# KiCad board 2x2RemotePanel.kicad_pcb (continued)
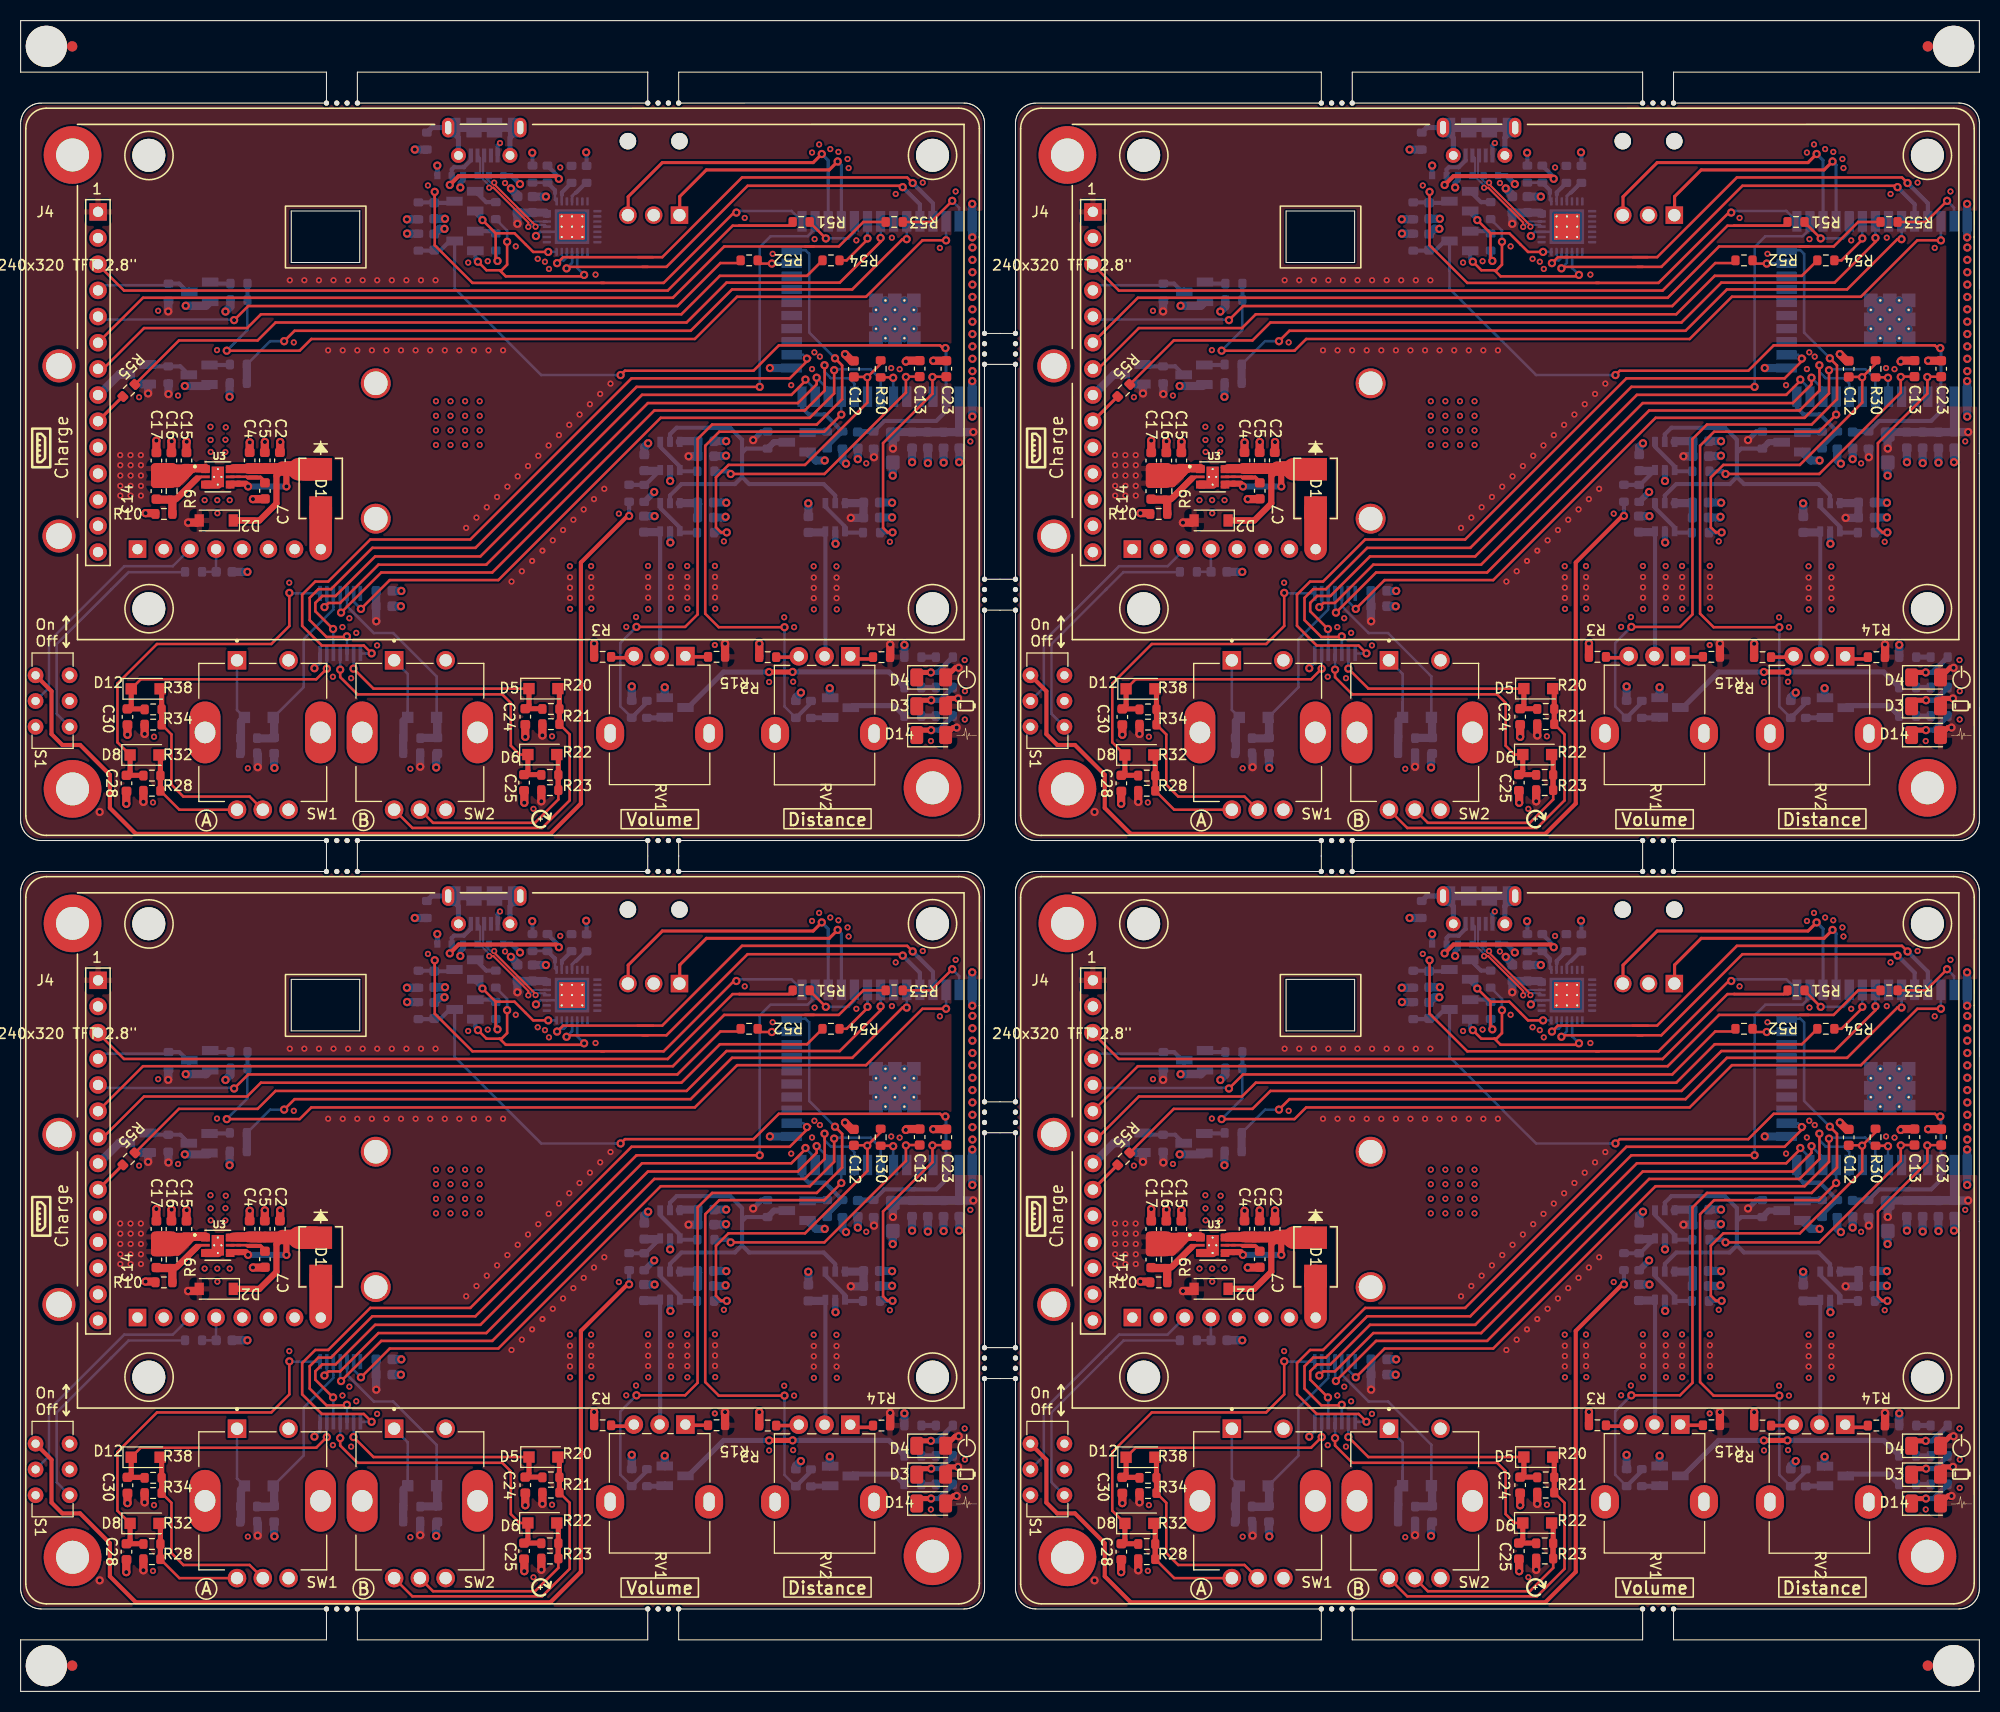
[diagram p0: board, top side]
## Placement (name value [footprint] x y rotation side) (continued)
KiKit_MB_19_4  -  [NPTH]  96.5 57.22 0 top
KiKit_MB_20_1  -  [NPTH]  96.5 30.36 0 top
KiKit_MB_20_2  -  [NPTH]  96.5 31.36 0 top
KiKit_MB_20_3  -  [NPTH]  96.5 32.36 0 top
KiKit_MB_20_4  -  [NPTH]  96.5 33.36 0 top
KiKit_MB_21_1  -  [NPTH]  126.17 79.57 0 top
KiKit_MB_21_2  -  [NPTH]  127.17 79.57 0 top
KiKit_MB_21_3  -  [NPTH]  128.17 79.57 0 top
KiKit_MB_21_4  -  [NPTH]  129.17 79.57 0 top
KiKit_MB_22_1  -  [NPTH]  157.34 79.57 0 top
KiKit_MB_22_2  -  [NPTH]  158.34 79.57 0 top
KiKit_MB_22_3  -  [NPTH]  159.34 79.57 0 top
KiKit_MB_22_4  -  [NPTH]  160.34 79.57 0 top
KiKit_MB_23_1  -  [NPTH]  129.17 8 0 top
KiKit_MB_23_2  -  [NPTH]  128.17 8 0 top
KiKit_MB_23_3  -  [NPTH]  127.17 8 0 top
KiKit_MB_23_4  -  [NPTH]  126.17 8 0 top
KiKit_MB_24_1  -  [NPTH]  160.34 8 0 top
KiKit_MB_24_2  -  [NPTH]  159.34 8 0 top
KiKit_MB_24_3  -  [NPTH]  158.34 8 0 top
KiKit_MB_24_4  -  [NPTH]  157.34 8 0 top
KiKit_TO_1  -  [NPTH#2]  2.5 159.65 0 top
KiKit_TO_2  -  [NPTH#2]  187.51 159.65 0 top
KiKit_TO_3  -  [NPTH#2]  2.5 2.5 0 top
KiKit_TO_4  -  [NPTH#2]  187.51 2.5 0 top
Q1  DMN65D8L  [DMP3099L-7_DIO]  159.99 20.92 90 bottom
Q1#2  DMN65D8L  [DMP3099L-7_DIO]  63.49 95.49 90 bottom
Q1#3  DMN65D8L  [DMP3099L-7_DIO]  63.49 20.92 90 bottom
Q1#4  DMN65D8L  [DMP3099L-7_DIO]  159.99 95.49 90 bottom
Q2  DMN65D8L  [DMP3099L-7_DIO]  171.83 46.66 270 bottom
Q2#2  DMN65D8L  [DMP3099L-7_DIO]  75.33 46.66 270 bottom
Q2#3  DMN65D8L  [DMP3099L-7_DIO]  75.33 121.24 270 bottom
Q2#4  DMN65D8L  [DMP3099L-7_DIO]  171.83 121.24 270 bottom
Q3  DMN65D8L  [DMP3099L-7_DIO]  176.03 95.48 90 bottom
Q3#2  DMN65D8L  [DMP3099L-7_DIO]  176.03 20.9 90 bottom
Q3#3  DMN65D8L  [DMP3099L-7_DIO]  79.53 95.48 90 bottom
Q3#4  DMN65D8L  [DMP3099L-7_DIO]  79.53 20.9 90 bottom
Q4  DMN65D8L  [DMP3099L-7_DIO]  17.38 135.83 270 bottom
Q4#2  DMN65D8L  [DMP3099L-7_DIO]  113.88 135.83 270 bottom
Q4#3  DMN65D8L  [DMP3099L-7_DIO]  113.88 61.25 270 bottom
Q4#4  DMN65D8L  [DMP3099L-7_DIO]  17.38 61.25 270 bottom
Q5  DMN65D8L  [DMP3099L-7_DIO]  43.1 70.06 270 bottom
Q5#2  DMN65D8L  [DMP3099L-7_DIO]  139.6 70.06 270 bottom
Q5#3  DMN65D8L  [DMP3099L-7_DIO]  139.6 144.63 270 bottom
Q5#4  DMN65D8L  [DMP3099L-7_DIO]  43.1 144.63 270 bottom
Q6  DMN65D8L  [DMP3099L-7_DIO]  139.61 66.19 270 bottom
Q6#2  DMN65D8L  [DMP3099L-7_DIO]  43.11 66.19 270 bottom
Q6#3  DMN65D8L  [DMP3099L-7_DIO]  43.11 140.76 270 bottom
Q6#4  DMN65D8L  [DMP3099L-7_DIO]  139.61 140.76 270 bottom
Q7  DMN65D8L  [DMP3099L-7_DIO]  113.82 127.78 270 bottom
Q7#2  DMN65D8L  [DMP3099L-7_DIO]  113.82 53.2 270 bottom
Q7#3  DMN65D8L  [DMP3099L-7_DIO]  17.32 53.2 270 bottom
Q7#4  DMN65D8L  [DMP3099L-7_DIO]  17.32 127.78 270 bottom
Q8  DMP3099L  [DMP3099L-7_DIO]  11.32 53.25 270 bottom
Q8#2  DMP3099L  [DMP3099L-7_DIO]  11.32 127.83 270 bottom
Q8#3  DMP3099L  [DMP3099L-7_DIO]  107.82 127.83 270 bottom
Q8#4  DMP3099L  [DMP3099L-7_DIO]  107.82 53.25 270 bottom
R1  0Ω  [R_0603_1608Metric]  113.28 108.65 180 bottom
R1#2  0Ω  [R_0603_1608Metric]  113.28 34.08 180 bottom
R1#3  0Ω  [R_0603_1608Metric]  16.78 34.08 180 bottom
R1#4  0Ω  [R_0603_1608Metric]  16.78 108.65 180 bottom
R2  22kΩ  [R_0603_1608Metric]  164.01 100.4 180 top
R2#2  22kΩ  [R_0603_1608Metric]  67.51 100.4 180 top
R2#3  22kΩ  [R_0603_1608Metric]  164.01 25.83 180 top
R2#4  22kΩ  [R_0603_1608Metric]  67.51 25.83 180 top
R3  1kΩ  [R_0603_1608Metric]  152.96 25.83 180 top
R3#2  1kΩ  [R_0603_1608Metric]  152.96 100.4 180 top
R3#3  1kΩ  [R_0603_1608Metric]  56.46 25.83 180 top
R3#4  1kΩ  [R_0603_1608Metric]  56.46 100.4 180 top
R4  30kΩ  [R_0603_1608Metric]  59.03 41.71 90 bottom
R4#2  30kΩ  [R_0603_1608Metric]  59.03 116.28 90 bottom
R4#3  30kΩ  [R_0603_1608Metric]  155.53 41.71 90 bottom
R4#4  30kΩ  [R_0603_1608Metric]  155.53 116.28 90 bottom
R5  10kΩ  [R_0603_1608Metric]  60.5 116.27 270 bottom
R5#2  10kΩ  [R_0603_1608Metric]  157 116.27 270 bottom
R5#3  10kΩ  [R_0603_1608Metric]  60.5 41.7 270 bottom
R5#4  10kΩ  [R_0603_1608Metric]  157 41.7 270 bottom
R6  50Ω  [R_0603_1608Metric]  66.44 37.89 0 bottom
R6#2  50Ω  [R_0603_1608Metric]  66.44 112.46 0 bottom
R6#3  50Ω  [R_0603_1608Metric]  162.94 37.89 0 bottom
R6#4  50Ω  [R_0603_1608Metric]  162.94 112.46 0 bottom
R7  50Ω  [R_0603_1608Metric]  162.98 43.84 0 bottom
R7#2  50Ω  [R_0603_1608Metric]  162.98 118.41 0 bottom
R7#3  50Ω  [R_0603_1608Metric]  66.48 43.84 0 bottom
R7#4  50Ω  [R_0603_1608Metric]  66.48 118.41 0 bottom
R8  680Ω  [R_0603_1608Metric]  89.61 97.43 180 bottom
R8#2  680Ω  [R_0603_1608Metric]  186.11 97.43 180 bottom
R8#3  680Ω  [R_0603_1608Metric]  89.61 22.86 180 bottom
R8#4  680Ω  [R_0603_1608Metric]  186.11 22.86 180 bottom
R9  3.57kΩ  [R_0603_1608Metric]  14.65 116.49 90 top
R9#2  3.57kΩ  [R_0603_1608Metric]  111.15 41.91 90 top
R9#3  3.57kΩ  [R_0603_1608Metric]  14.65 41.91 90 top
R9#4  3.57kΩ  [R_0603_1608Metric]  111.15 116.49 90 top
R10  1.15kΩ  [R_0603_1608Metric]  110.4 114.27 0 top
R10#2  1.15kΩ  [R_0603_1608Metric]  13.9 39.7 0 top
R10#3  1.15kΩ  [R_0603_1608Metric]  110.4 39.7 0 top
R10#4  1.15kΩ  [R_0603_1608Metric]  13.9 114.27 0 top
R11  100Ω  [R_0603_1608Metric]  60.75 20.74 270 bottom
R11#2  100Ω  [R_0603_1608Metric]  60.75 95.31 270 bottom
R11#3  100Ω  [R_0603_1608Metric]  157.26 95.31 270 bottom
R11#4  100Ω  [R_0603_1608Metric]  157.26 20.74 270 bottom
R12  4.7kΩ  [R_0603_1608Metric]  155.78 95.32 90 bottom
R12#2  4.7kΩ  [R_0603_1608Metric]  59.28 20.75 90 bottom
R12#3  4.7kΩ  [R_0603_1608Metric]  59.28 95.32 90 bottom
R12#4  4.7kΩ  [R_0603_1608Metric]  155.78 20.75 90 bottom
R13  180Ω  [R_0603_1608Metric]  183.06 100.38 180 bottom
R13#2  180Ω  [R_0603_1608Metric]  86.56 25.81 180 bottom
R13#3  180Ω  [R_0603_1608Metric]  183.06 25.81 180 bottom
R13#4  180Ω  [R_0603_1608Metric]  86.56 100.38 180 bottom
R14  22kΩ  [R_0603_1608Metric]  180.01 25.8 180 top
R14#2  22kΩ  [R_0603_1608Metric]  180.01 100.38 180 top
R14#3  22kΩ  [R_0603_1608Metric]  83.51 100.38 180 top
R14#4  22kΩ  [R_0603_1608Metric]  83.51 25.8 180 top
R15  1kΩ  [R_0603_1608Metric]  72.47 100.38 180 top
R15#2  1kΩ  [R_0603_1608Metric]  168.97 25.8 180 top
R15#3  1kΩ  [R_0603_1608Metric]  72.47 25.8 180 top
R15#4  1kΩ  [R_0603_1608Metric]  168.97 100.38 180 top
R16  50Ω  [R_0603_1608Metric]  179.04 37.89 0 bottom
R16#2  50Ω  [R_0603_1608Metric]  179.04 112.46 0 bottom
R16#3  50Ω  [R_0603_1608Metric]  82.54 112.46 0 bottom
R16#4  50Ω  [R_0603_1608Metric]  82.54 37.89 0 bottom
R17  10kΩ  [R_0603_1608Metric]  72.45 46.86 270 bottom
R17#2  10kΩ  [R_0603_1608Metric]  168.95 121.44 270 bottom
R17#3  10kΩ  [R_0603_1608Metric]  72.45 121.44 270 bottom
R17#4  10kΩ  [R_0603_1608Metric]  168.95 46.86 270 bottom
R18  100Ω  [R_0603_1608Metric]  78.24 121.44 90 bottom
R18#2  100Ω  [R_0603_1608Metric]  174.74 121.44 90 bottom
R18#3  100Ω  [R_0603_1608Metric]  174.74 46.86 90 bottom
R18#4  100Ω  [R_0603_1608Metric]  78.24 46.86 90 bottom
R19  4.7kΩ  [R_0603_1608Metric]  79.72 121.44 270 bottom
R19#2  4.7kΩ  [R_0603_1608Metric]  176.22 121.44 270 bottom
R19#3  4.7kΩ  [R_0603_1608Metric]  79.72 46.86 270 bottom
R19#4  4.7kΩ  [R_0603_1608Metric]  176.22 46.86 270 bottom
R20  6.8kΩ  [R_0603_1608Metric]  51.44 95.35 0 top
R20#2  6.8kΩ  [R_0603_1608Metric]  147.94 20.77 0 top
R20#3  6.8kΩ  [R_0603_1608Metric]  51.44 20.77 0 top
R20#4  6.8kΩ  [R_0603_1608Metric]  147.94 95.35 0 top
R21  6.8kΩ  [R_0603_1608Metric]  147.94 93.87 0 top
R21#2  6.8kΩ  [R_0603_1608Metric]  147.94 19.3 0 top
R21#3  6.8kΩ  [R_0603_1608Metric]  51.44 93.87 0 top
R21#4  6.8kΩ  [R_0603_1608Metric]  51.44 19.3 0 top
R22  6.8kΩ  [R_0603_1608Metric]  147.84 88.95 0 top
R22#2  6.8kΩ  [R_0603_1608Metric]  51.34 14.37 0 top
R22#3  6.8kΩ  [R_0603_1608Metric]  51.34 88.95 0 top
R22#4  6.8kΩ  [R_0603_1608Metric]  147.84 14.37 0 top
R23  6.8kΩ  [R_0603_1608Metric]  51.34 87.47 0 top
R23#2  6.8kΩ  [R_0603_1608Metric]  147.84 12.9 0 top
R23#3  6.8kΩ  [R_0603_1608Metric]  51.34 12.9 0 top
R23#4  6.8kΩ  [R_0603_1608Metric]  147.84 87.47 0 top
R24  4.7kΩ  [R_0603_1608Metric]  37.94 91.06 180 bottom
R24#2  4.7kΩ  [R_0603_1608Metric]  37.94 16.49 180 bottom
R24#3  4.7kΩ  [R_0603_1608Metric]  134.44 91.06 180 bottom
R24#4  4.7kΩ  [R_0603_1608Metric]  134.44 16.49 180 bottom
R25  4.7kΩ  [R_0603_1608Metric]  134.46 92.51 0 bottom
R25#2  4.7kΩ  [R_0603_1608Metric]  37.95 92.51 0 bottom
R25#3  4.7kΩ  [R_0603_1608Metric]  37.95 17.94 0 bottom
R25#4  4.7kΩ  [R_0603_1608Metric]  134.46 17.94 0 bottom
R26  10kΩ  [R_0603_1608Metric]  82.75 121.44 90 bottom
R26#2  10kΩ  [R_0603_1608Metric]  179.25 46.87 90 bottom
R26#3  10kΩ  [R_0603_1608Metric]  82.75 46.87 90 bottom
R26#4  10kΩ  [R_0603_1608Metric]  179.25 121.44 90 bottom
R27  0Ω  [R_0603_1608Metric]  39.41 75.89 90 bottom
R27#2  0Ω  [R_0603_1608Metric]  135.91 75.89 90 bottom
R27#3  0Ω  [R_0603_1608Metric]  135.91 150.46 90 bottom
R27#4  0Ω  [R_0603_1608Metric]  39.41 150.46 90 bottom
R28  6.8kΩ  [R_0603_1608Metric]  12.74 88.88 0 top
R28#2  6.8kΩ  [R_0603_1608Metric]  109.24 88.88 0 top
R28#3  6.8kΩ  [R_0603_1608Metric]  12.74 14.31 0 top
R28#4  6.8kΩ  [R_0603_1608Metric]  109.24 14.31 0 top
R29  10kΩ  [R_0603_1608Metric]  75.21 20.73 90 bottom
R29#2  10kΩ  [R_0603_1608Metric]  75.21 95.3 90 bottom
R29#3  10kΩ  [R_0603_1608Metric]  171.71 95.3 90 bottom
R29#4  10kΩ  [R_0603_1608Metric]  171.71 20.73 90 bottom
R30  0Ω  [R_0603_1608Metric]  179.93 53.78 270 top
R30#2  0Ω  [R_0603_1608Metric]  83.43 128.36 270 top
R30#3  0Ω  [R_0603_1608Metric]  179.93 128.36 270 top
R30#4  0Ω  [R_0603_1608Metric]  83.43 53.78 270 top
R31  100Ω  [R_0603_1608Metric]  173.17 20.73 270 bottom
R31#2  100Ω  [R_0603_1608Metric]  173.17 95.3 270 bottom
R31#3  100Ω  [R_0603_1608Metric]  76.67 20.73 270 bottom
R31#4  100Ω  [R_0603_1608Metric]  76.67 95.3 270 bottom
R32  6.8kΩ  [R_0603_1608Metric]  12.74 87.41 0 top
R32#2  6.8kΩ  [R_0603_1608Metric]  109.24 87.41 0 top
R32#3  6.8kΩ  [R_0603_1608Metric]  12.74 12.83 0 top
R32#4  6.8kΩ  [R_0603_1608Metric]  109.24 12.83 0 top
R33  4.7kΩ  [R_0603_1608Metric]  22.12 91.05 180 bottom
R33#2  4.7kΩ  [R_0603_1608Metric]  118.62 91.05 180 bottom
R33#3  4.7kΩ  [R_0603_1608Metric]  22.12 16.47 180 bottom
R33#4  4.7kΩ  [R_0603_1608Metric]  118.62 16.47 180 bottom
R34  6.8kΩ  [R_0603_1608Metric]  109.36 20.73 0 top
R34#2  6.8kΩ  [R_0603_1608Metric]  109.36 95.3 0 top
R34#3  6.8kΩ  [R_0603_1608Metric]  12.86 95.3 0 top
R34#4  6.8kΩ  [R_0603_1608Metric]  12.86 20.73 0 top
R35  22.1kΩ  [R_0603_1608Metric]  147.61 147.25 90 bottom
R35#2  22.1kΩ  [R_0603_1608Metric]  51.11 72.68 90 bottom
R35#3  22.1kΩ  [R_0603_1608Metric]  51.11 147.25 90 bottom
R35#4  22.1kΩ  [R_0603_1608Metric]  147.61 72.68 90 bottom
R36  4.7kΩ  [R_0603_1608Metric]  118.62 17.95 0 bottom
R36#2  4.7kΩ  [R_0603_1608Metric]  22.12 17.95 0 bottom
R36#3  4.7kΩ  [R_0603_1608Metric]  22.12 92.52 0 bottom
R36#4  4.7kΩ  [R_0603_1608Metric]  118.62 92.52 0 bottom
R37  47.5kΩ  [R_0603_1608Metric]  49.66 147.25 90 bottom
R37#2  47.5kΩ  [R_0603_1608Metric]  146.16 147.25 90 bottom
R37#3  47.5kΩ  [R_0603_1608Metric]  146.16 72.68 90 bottom
R37#4  47.5kΩ  [R_0603_1608Metric]  49.66 72.68 90 bottom
R38  6.8kΩ  [R_0603_1608Metric]  109.36 93.83 0 top
R38#2  6.8kΩ  [R_0603_1608Metric]  12.86 93.83 0 top
R38#3  6.8kΩ  [R_0603_1608Metric]  12.86 19.25 0 top
R38#4  6.8kΩ  [R_0603_1608Metric]  109.36 19.25 0 top
R39  1kΩ  [R_0603_1608Metric]  149.94 72.66 270 bottom
R39#2  1kΩ  [R_0603_1608Metric]  149.94 147.24 270 bottom
R39#3  1kΩ  [R_0603_1608Metric]  53.44 72.66 270 bottom
R39#4  1kΩ  [R_0603_1608Metric]  53.44 147.24 270 bottom
R40  100Ω  [R_0603_1608Metric]  186.11 20.09 180 bottom
R40#2  100Ω  [R_0603_1608Metric]  186.11 94.66 180 bottom
R40#3  100Ω  [R_0603_1608Metric]  89.61 20.09 180 bottom
R40#4  100Ω  [R_0603_1608Metric]  89.61 94.66 180 bottom
R41  1kΩ  [R_0603_1608Metric]  151.4 72.66 90 bottom
R41#2  1kΩ  [R_0603_1608Metric]  151.4 147.23 90 bottom
R41#3  1kΩ  [R_0603_1608Metric]  54.9 147.23 90 bottom
R41#4  1kΩ  [R_0603_1608Metric]  54.9 72.66 90 bottom
R42  4.7kΩ  [R_0603_1608Metric]  21.18 60.45 180 bottom
R42#2  4.7kΩ  [R_0603_1608Metric]  117.68 60.45 180 bottom
R42#3  4.7kΩ  [R_0603_1608Metric]  21.18 135.03 180 bottom
R42#4  4.7kΩ  [R_0603_1608Metric]  117.68 135.03 180 bottom
R43  100Ω  [R_0603_1608Metric]  117.68 62.05 180 bottom
R43#2  100Ω  [R_0603_1608Metric]  21.18 136.63 180 bottom
R43#3  100Ω  [R_0603_1608Metric]  117.68 136.63 180 bottom
R43#4  100Ω  [R_0603_1608Metric]  21.18 62.05 180 bottom
R44  4.7kΩ  [R_0603_1608Metric]  142.59 143.7 90 bottom
R44#2  4.7kΩ  [R_0603_1608Metric]  142.59 69.13 90 bottom
R44#3  4.7kΩ  [R_0603_1608Metric]  46.09 69.13 90 bottom
R44#4  4.7kΩ  [R_0603_1608Metric]  46.09 143.7 90 bottom
R45  4.7kΩ  [R_0603_1608Metric]  142.6 66.09 90 bottom
R45#2  4.7kΩ  [R_0603_1608Metric]  46.1 66.09 90 bottom
R45#3  4.7kΩ  [R_0603_1608Metric]  46.1 140.66 90 bottom
R45#4  4.7kΩ  [R_0603_1608Metric]  142.6 140.66 90 bottom
R46  4.7kΩ  [R_0603_1608Metric]  110.85 61.23 90 bottom
R46#2  4.7kΩ  [R_0603_1608Metric]  14.35 61.23 90 bottom
R46#3  4.7kΩ  [R_0603_1608Metric]  14.35 135.8 90 bottom
R46#4  4.7kΩ  [R_0603_1608Metric]  110.85 135.8 90 bottom
R47  0Ω  [R_0603_1608Metric]  135.09 69.12 270 bottom
R47#2  0Ω  [R_0603_1608Metric]  135.09 143.69 270 bottom
R47#3  0Ω  [R_0603_1608Metric]  38.59 69.12 270 bottom
R47#4  0Ω  [R_0603_1608Metric]  38.59 143.69 270 bottom
R48  0Ω  [R_0603_1608Metric]  135.09 140.65 270 bottom
R48#2  0Ω  [R_0603_1608Metric]  135.09 66.07 270 bottom
R48#3  0Ω  [R_0603_1608Metric]  38.59 140.65 270 bottom
R48#4  0Ω  [R_0603_1608Metric]  38.59 66.07 270 bottom
R49  4.7kΩ  [R_0603_1608Metric]  21.12 126.98 180 bottom
R49#2  4.7kΩ  [R_0603_1608Metric]  117.62 52.4 180 bottom
R49#3  4.7kΩ  [R_0603_1608Metric]  117.62 126.98 180 bottom
R49#4  4.7kΩ  [R_0603_1608Metric]  21.12 52.4 180 bottom
R50  100Ω  [R_0603_1608Metric]  117.62 54.2 180 bottom
R50#2  100Ω  [R_0603_1608Metric]  21.12 128.78 180 bottom
R50#3  100Ω  [R_0603_1608Metric]  21.12 54.2 180 bottom
R50#4  100Ω  [R_0603_1608Metric]  117.62 128.78 180 bottom
R51  0Ω  [R_0603_1608Metric]  75.72 142.61 180 top
R51#2  0Ω  [R_0603_1608Metric]  172.22 68.04 180 top
R51#3  0Ω  [R_0603_1608Metric]  75.72 68.04 180 top
R51#4  0Ω  [R_0603_1608Metric]  172.22 142.61 180 top
R52  0Ω  [R_0603_1608Metric]  70.67 64.31 180 top
R52#2  0Ω  [R_0603_1608Metric]  167.17 64.31 180 top
R52#3  0Ω  [R_0603_1608Metric]  167.17 138.88 180 top
R52#4  0Ω  [R_0603_1608Metric]  70.67 138.88 180 top
R53  0Ω  [R_0603_1608Metric]  84.74 68.04 180 top
R53#2  0Ω  [R_0603_1608Metric]  84.74 142.61 180 top
R53#3  0Ω  [R_0603_1608Metric]  181.24 142.61 180 top
R53#4  0Ω  [R_0603_1608Metric]  181.24 68.04 180 top
R54  0Ω  [R_0603_1608Metric]  78.61 138.88 180 top
R54#2  0Ω  [R_0603_1608Metric]  78.61 64.31 180 top
R54#3  0Ω  [R_0603_1608Metric]  175.11 64.31 180 top
R54#4  0Ω  [R_0603_1608Metric]  175.11 138.88 180 top
R55  0Ω  [R_0603_1608Metric]  10.5 126.25 225 top
R55#2  0Ω  [R_0603_1608Metric]  107.01 126.25 225 top
R55#3  0Ω  [R_0603_1608Metric]  10.5 51.68 225 top
R55#4  0Ω  [R_0603_1608Metric]  107.01 51.68 225 top
R56  4.7kΩ  [R_0603_1608Metric]  14.32 127.78 270 bottom
R56#2  4.7kΩ  [R_0603_1608Metric]  14.32 53.2 270 bottom
R56#3  4.7kΩ  [R_0603_1608Metric]  110.82 53.2 270 bottom
R56#4  4.7kΩ  [R_0603_1608Metric]  110.82 127.78 270 bottom
R57  0Ω  [R_0603_1608Metric]  86.55 97.43 180 bottom
R57#2  0Ω  [R_0603_1608Metric]  183.05 22.86 180 bottom
R57#3  0Ω  [R_0603_1608Metric]  183.05 97.43 180 bottom
R57#4  0Ω  [R_0603_1608Metric]  86.55 22.86 180 bottom
R58  0Ω  [R_0603_1608Metric]  186.11 100.38 180 bottom
R58#2  0Ω  [R_0603_1608Metric]  89.61 25.81 180 bottom
R58#3  0Ω  [R_0603_1608Metric]  186.11 25.81 180 bottom
R58#4  0Ω  [R_0603_1608Metric]  89.61 100.38 180 bottom
R59  0Ω  [R_0603_1608Metric]  86.55 94.66 180 bottom
R59#2  0Ω  [R_0603_1608Metric]  183.05 20.09 180 bottom
R59#3  0Ω  [R_0603_1608Metric]  183.05 94.66 180 bottom
R59#4  0Ω  [R_0603_1608Metric]  86.55 20.09 180 bottom
RV1  10kΩ  [Potentiometer_Alpha_RD901F-40-00D_Single_Vertical]  64.49 100.48 270 top
RV1#2  10kΩ  [Potentiometer_Alpha_RD901F-40-00D_Single_Vertical]  160.99 25.9 270 top
RV1#3  10kΩ  [Potentiometer_Alpha_RD901F-40-00D_Single_Vertical]  160.99 100.48 270 top
RV1#4  10kΩ  [Potentiometer_Alpha_RD901F-40-00D_Single_Vertical]  64.49 25.9 270 top
RV2  10kΩ  [Potentiometer_Alpha_RD901F-40-00D_Single_Vertical]  176.99 25.88 270 top
RV2#2  10kΩ  [Potentiometer_Alpha_RD901F-40-00D_Single_Vertical]  176.99 100.46 270 top
RV2#3  10kΩ  [Potentiometer_Alpha_RD901F-40-00D_Single_Vertical]  80.49 100.46 270 top
RV2#4  10kΩ  [Potentiometer_Alpha_RD901F-40-00D_Single_Vertical]  80.49 25.88 270 top
S1  -  [CL-SB-22C-12]  9.02 21.61 270 top
S1#2  -  [CL-SB-22C-12]  105.52 21.61 270 top
S1#3  -  [CL-SB-22C-12]  105.52 96.18 270 top
S1#4  -  [CL-SB-22C-12]  9.02 96.18 270 top
SW1  PEC12R  [XDCR_PEC12R-4215F-S0024]  119.99 93.07 0 top
SW1#2  PEC12R  [XDCR_PEC12R-4215F-S0024]  119.99 18.49 0 top
SW1#3  PEC12R  [XDCR_PEC12R-4215F-S0024]  23.49 93.07 0 top
SW1#4  PEC12R  [XDCR_PEC12R-4215F-S0024]  23.49 18.49 0 top
SW2  PEC12R  [XDCR_PEC12R-4215F-S0024]  38.73 18.5 0 top
SW2#2  PEC12R  [XDCR_PEC12R-4215F-S0024]  135.23 93.07 0 top
SW2#3  PEC12R  [XDCR_PEC12R-4215F-S0024]  38.73 93.07 0 top
SW2#4  PEC12R  [XDCR_PEC12R-4215F-S0024]  135.23 18.5 0 top
U1  OPA837IDBVT  [DBV6_TEX]  62.99 113.96 90 bottom
U1#2  OPA837IDBVT  [DBV6_TEX]  159.49 39.38 90 bottom
U1#3  OPA837IDBVT  [DBV6_TEX]  62.99 39.38 90 bottom
U1#4  OPA837IDBVT  [DBV6_TEX]  159.49 113.96 90 bottom
U2  OPA837IDBVT  [DBV6_TEX]  62.99 119.9 90 bottom
U2#2  OPA837IDBVT  [DBV6_TEX]  62.99 45.33 90 bottom
U2#3  OPA837IDBVT  [DBV6_TEX]  159.49 119.9 90 bottom
U2#4  OPA837IDBVT  [DBV6_TEX]  159.49 45.33 90 bottom
U3  TPS7A9201DSKR  [SON50P250X250X80-11N]  115.63 117.87 0 top
U3#2  TPS7A9201DSKR  [SON50P250X250X80-11N]  115.63 43.3 0 top
U3#3  TPS7A9201DSKR  [SON50P250X250X80-11N]  19.13 43.3 0 top
U3#4  TPS7A9201DSKR  [SON50P250X250X80-11N]  19.13 117.87 0 top
U4  OPA837IDBVT  [DBV6_TEX]  79.02 39.38 90 bottom
U4#2  OPA837IDBVT  [DBV6_TEX]  79.02 113.95 90 bottom
U4#3  OPA837IDBVT  [DBV6_TEX]  175.52 113.95 90 bottom
U4#4  OPA837IDBVT  [DBV6_TEX]  175.52 39.38 90 bottom
U5  74LVC14APW_118  [SOP65P640X110-14N]  127.5 103.65 90 bottom
U5#2  74LVC14APW_118  [SOP65P640X110-14N]  31 103.65 90 bottom
U5#3  74LVC14APW_118  [SOP65P640X110-14N]  127.5 29.08 90 bottom
U5#4  74LVC14APW_118  [SOP65P640X110-14N]  31 29.08 90 bottom
U6  CP2102N-Axx-xQFN28  [QFN-28-1EP_5x5mm_P0.5mm_EP3.35x3.35mm_ThermalVias]  149.99 142.15 0 bottom
U6#2  CP2102N-Axx-xQFN28  [QFN-28-1EP_5x5mm_P0.5mm_EP3.35x3.35mm_ThermalVias]  53.49 142.15 0 bottom
U6#3  CP2102N-Axx-xQFN28  [QFN-28-1EP_5x5mm_P0.5mm_EP3.35x3.35mm_ThermalVias]  53.49 67.58 0 bottom
U6#4  CP2102N-Axx-xQFN28  [QFN-28-1EP_5x5mm_P0.5mm_EP3.35x3.35mm_ThermalVias]  149.99 67.58 0 bottom
U7  ESP32-WROOM-32D  [MODULE_ESP32-WROOM-32D]  87.05 59.59 90 bottom
U7#2  ESP32-WROOM-32D  [MODULE_ESP32-WROOM-32D]  87.05 134.16 90 bottom
U7#3  ESP32-WROOM-32D  [MODULE_ESP32-WROOM-32D]  183.55 134.16 90 bottom
U7#4  ESP32-WROOM-32D  [MODULE_ESP32-WROOM-32D]  183.55 59.59 90 bottom

## Library data of the parts
J4 J4#2-J4#4 = -: Field5: ggebac468049775df37
R27 R27#2-R27#4 R47 R47#2-R47#4 R48 R48#2-R48#4 = -: DNP: DNP
RV1 RV1#2-RV1#4 RV2 RV2#2-RV2#4 = -: Field4: RD901F-40
U3 U3#2-U3#4 = -: MANUFACTURER: Texas Instruments; MAXIMUM_PACKAGE_HEIGHT: 0.8mm; PARTREV: December 2016; STANDARD: IPC-7351B
U5 U5#2-U5#4 = -: Description: Inverter Schmitt Trigger 6-Element CMOS 14-Pin TSSOP T/R; Availability: In Stock; Check_prices: https://www.snapeda.com/parts/74LVC14APW,118/Nexperia/view-part/?ref=eda; MF: Nexperia; MP: 74LVC14APW,118; MPN: 74LVC14APW,118; OC_FARNELL: 1826648; OC_NEWARK: 78R7408; PACKAGE: TSSOP-14; Package: TSSOP14-14 Nexperia USA Inc.; Price: None; Purchase-URL: https://www.snapeda.com/api/url_track_click_mouser/?unipart_id=5056984&manufacturer=Nexperia&part_name=74LVC14APW,118&search_term=74lvc14a; SUPPLIER: NXP; SnapEDA_Link: https://www.snapeda.com/parts/74LVC14APW,118/Nexperia/view-part/?ref=snap
U7 U7#2-U7#4 = -: Description: Bluetooth, WiFi 802.11b/g/n, Bluetooth v4.2 +EDR, Class 1, 2 and 3 Transceiver Module 2.4GHz ~ 2.5GHz Integrated; Availability: Not in stock; Check_prices: https://www.snapeda.com/parts/ESP32-WROOM-32D/Espressif+Systems/view-part/?ref=eda; MANUFACTURER: Espressif Systems; MAXIMUM_PACKAGE_HEIGHT: 3.2 mm; MF: Espressif Systems; PARTREV: 1.9; Package: Non Standard Espressif Systems; Price: None; STANDARD: Manufacturer Recommendations; SnapEDA_Link: https://www.snapeda.com/parts/ESP32-WROOM-32D/Espressif+Systems/view-part/?ref=snap

## Footprints (pads in the part's own frame, mm; a bottom-side part is the same pattern mirrored in y, then rotated)
AdaFruitPowerBoost500C
  rect 1.7x1.7 hole 1: 1(-6.4,8.57)
  oval 1.7x1.7 hole 1: 2(-3.86,8.57) 3(-1.32,8.57) 4(1.22,8.57) 5(3.76,8.57) 6(6.3,8.57) 7(8.84,8.57) 8(11.38,8.57)
  round 3.2 hole 2.5: P$1(-14.02,7.301) P$2(-14.02,-9.209)
  round 2.9 hole 2.3: S1(16.714,-7.524) S2(16.714,5.616)
C_0603_1608Metric
  rrect 0.9x0.95 smd: 1(-0.775,0) 2(0.775,0)
CL-SB-22C-12
  round 1.524 hole 0.8: 1(-2.435,-7.569) 2(0.065,-7.569) 3(2.565,-7.569) 4(-2.435,-4.269) 5(0.065,-4.269) 6(2.565,-4.269)
CON_1053131103
  round 1.6 hole 1.6 unplated: (-5,-7.18) (0,-7.18)
  rect 1.7x1.7 hole 1.2: 1(0,0)
  round 1.7 hole 1.2: 2(-2.5,0) 3(-5,0)
CP_EIA-3216-18_Kemet-A
  rrect 1.4x1.35 smd: 1(-1.35,0) 2(1.35,0)
D_SOD-123
  rect 0.9x1.2 smd: 1(-1.65,0) 2(1.65,0)
D_SOD-123F
  rect 1.1x1.1 smd: 1(-1.4,0) 2(1.4,0)
D_SOD-523
  rect 0.6x0.7 smd: 1(-0.7,0) 2(0.7,0)
DBV6_TEX
  rect 0.978x0.559 smd: 1(-1.365,0.95) 2(-1.365,0) 3(-1.365,-0.95) 4(1.365,-0.95) 5(1.365,0) 6(1.365,0.95)
DMP3099L-7_DIO
  rect 0.864x1.6 smd: 1(-0.95,-1.006) 2(0.95,-1.006) 3(0,1.006)
Fiducial
  round 1 smd: (0,0)
LED_1206_3216Metric
  rrect 1.25x1.75 smd: 1(-1.4,0) 2(1.4,0)
MODULE_ESP32-WROOM-32D
  rect 2x0.9 smd: 1(-8.5,5.26) 2(-8.5,3.99) 3(-8.5,2.72) 4(-8.5,1.45) 5(-8.5,0.18) 6(-8.5,-1.09) 7(-8.5,-2.36) 8(-8.5,-3.63) 9(-8.5,-4.9) 10(-8.5,-6.17) 11(-8.5,-7.44) 12(-8.5,-8.71) 13(-8.5,-9.98) 14(-8.5,-11.25) 25(8.5,-11.25) 26(8.5,-9.98) 27(8.5,-8.71) 28(8.5,-7.44) 29(8.5,-6.17) 30(8.5,-4.9) 31(8.5,-3.63) 32(8.5,-2.36) 33(8.5,-1.09) 34(8.5,0.18) 35(8.5,1.45) 36(8.5,2.72) 37(8.5,3.99) 38(8.5,5.26)
  rect 0.9x2 smd: 15(-5.715,-12.25) 16(-4.445,-12.25) 17(-3.175,-12.25) 18(-1.905,-12.25) 19(-0.635,-12.25) 20(0.635,-12.25) 21(1.905,-12.25) 22(3.175,-12.25) 23(4.445,-12.25) 24(5.715,-12.25)
  rect 1.33x1.33 smd: 39_1(-2.835,-0.405) 39_2(-1,-0.405) 39_3(0.835,-0.405) 39_4(-2.835,-2.24) 39_5(-1,-2.24) 39_6(0.835,-2.24) 39_7(-2.835,-4.075) 39_8(-1,-4.075) 39_9(0.835,-4.075)
  round 0.3 hole 0.2: 39_10(-1.917,-0.405) 39_11(-0.083,-0.405) 39_12(-2.835,-1.323) 39_13(-1,-1.323) 39_14(0.835,-1.323) 39_15(-1.917,-2.24) 39_16(-0.083,-2.24) 39_17(-2.835,-3.158) 39_18(-1,-3.158) 39_19(0.835,-3.158) 39_20(-1.917,-4.075) 39_21(-0.083,-4.075)
MountingHole_3.2mm_M3_DIN965_Pad_TopBottom
  round 3.6 hole 3.2: 1(0,0)
  round 5.6 smd: 1(0,0)
  round 5.6 smd far side: 1(0,0)
NPTH
  round 0.5 hole 0.5 unplated: (0,0)
NPTH#2
  round 4 hole 4 unplated: (0,0)
Potentiometer_Alpha_RD901F-40-00D_Single_Vertical
  oval 3.24x2.72 hole 1.8x1.1: (7.5,2.3) (7.5,-7.3)
  rect 1.8x1.8 hole 1: 1(0,0)
  round 1.8 hole 1: 2(0,-2.5) 3(0,-5)
QD-TFT2803
  round 3.2 hole 3.2 unplated: (-36.477,21.742) (-36.477,-22.258) (39.55,21.742) (39.55,-22.258)
  rect 1.7x1.7 hole 1: 1(-41.399,16.252)
  round 1.7 hole 1: 2(-41.402,13.713) 3(-41.402,11.173) 4(-41.402,8.633) 5(-41.402,6.093) 6(-41.402,3.553) 7(-41.402,1.013) 8(-41.402,-1.524) 9(-41.402,-4.064) 10(-41.402,-6.604) 11(-41.402,-9.144) 12(-41.402,-11.684) 13(-41.402,-14.224) 14(-41.402,-16.764)
QFN-28-1EP_5x5mm_P0.5mm_EP3.35x3.35mm_ThermalVias
  custom 0.544x0.544 smd: (-1.337,-1.337) (-1.337,1.337) (1.337,-1.337) (1.337,1.337)
  custom 0.544x0.806 smd: (-1.337,-0.5) (-1.337,0.5) (1.337,-0.5) (1.337,0.5)
  custom 0.806x0.544 smd: (-0.5,-1.337) (-0.5,1.337) (0.5,-1.337) (0.5,1.337)
  rrect 0.806x0.806 smd: (-0.5,-0.5) (-0.5,0.5) (0.5,-0.5) (0.5,0.5)
  rrect 0.8x0.25 smd: 1(-2.45,1.5) 2(-2.45,1) 3(-2.45,0.5) 4(-2.45,0) 5(-2.45,-0.5) 6(-2.45,-1) 7(-2.45,-1.5) 15(2.45,-1.5) 16(2.45,-1) 17(2.45,-0.5) 18(2.45,0) 19(2.45,0.5) 20(2.45,1) 21(2.45,1.5)
  rrect 0.25x0.8 smd: 8(-1.5,-2.45) 9(-1,-2.45) 10(-0.5,-2.45) 11(0,-2.45) 12(0.5,-2.45) 13(1,-2.45) 14(1.5,-2.45) 22(1.5,2.45) 23(1,2.45) 24(0.5,2.45) 25(0,2.45) 26(-0.5,2.45) 27(-1,2.45) 28(-1.5,2.45)
  round 0.5 hole 0.2: 29(-1,-1) 29(-1,0) 29(-1,1) 29(0,-1) 29(0,0) 29(0,1) 29(1,-1) 29(1,0) 29(1,1)
  rect 2.5x2.5 smd far side: 29(0,0)
  rect 3.35x3.35 smd: 29(0,0)
R_0603_1608Metric
  rrect 0.8x0.95 smd: 1(-0.825,0) 2(0.825,0)
SMB_DIO
  rect 2.18x2.21 smd: 1(-1.857,0) 2(1.857,0)
SON50P250X250X80-11N
  rrect 0.84x0.27 smd: 1(-1.195,1) 2(-1.195,0.5) 3(-1.195,0) 4(-1.195,-0.5) 5(-1.195,-1) 6(1.195,-1) 7(1.195,-0.5) 8(1.195,0) 9(1.195,0.5) 10(1.195,1)
  rect 1.2x2 smd: 11(0,0)
  round 0.3 hole 0.2: 12(0.35,0) 13(-0.35,0) 14(0,0.75) 15(0,-0.75)
SOP65P640X110-14N
  rect 1.473x0.356 smd: 1(-2.921,1.956) 2(-2.921,1.295) 3(-2.921,0.66) 4(-2.921,0) 5(-2.921,-0.66) 6(-2.921,-1.295) 7(-2.921,-1.956) 8(2.921,-1.956) 9(2.921,-1.295) 10(2.921,-0.66) 11(2.921,0) 12(2.921,0.66) 13(2.921,1.295) 14(2.921,1.956)
USB_Micro-B_Molex-105017-0001_Alt
  rect 0.4x1.35 smd: 1(-1.3,1.462) 2(-0.65,1.462) 3(0,1.462) 4(0.65,1.462) 5(1.3,1.462)
  oval 1.2x1.9 hole 0.6x1.3: 6(-3.5,-1.238) 6(3.5,-1.238)
  rect 1.2x1.9 smd: 6(-2.9,-1.238) 6(2.9,-1.238)
  round 1.45 hole 0.85: 6(-2.5,1.462) 6(2.5,1.462)
  rect 1.5x1.9 smd: 6(-1,-1.238) 6(1,-1.238)
XDCR_PEC12R-4215F-S0024
  rect 1.8x1.8 hole 1.2: 1(-2.5,7)
  round 1.8 hole 1.2: 2(2.5,7) A(-2.5,-7.5) B(2.5,-7.5) C(0,-7.5)
  oval 3x6 hole 2x2.1: S1(-5.6,0) S2(5.6,0)

## Nets
Board_0-/VIN: C2#3.2 C4#2.2 C5.2 D1#3.1 D2#3.1 U3#4.6 U3#4.7 U3#4.9 U3#4.10
Board_1-/VIN: C2.2 C4#4.2 C5#2.2 D1#2.1 D2#4.1 U3.6 U3.7 U3.9 U3.10
Board_2-/VIN: C2#4.2 C4#3.2 C5#4.2 D1.1 D2.1 U3#3.6 U3#3.7 U3#3.9 U3#3.10
Board_3-/VIN: C2#2.2 C4.2 C5#3.2 D1#4.1 D2#2.1 U3#2.6 U3#2.7 U3#2.9 U3#2.10
Board_0-+3V3: C8#3.1 C9.1 C10#3.1 C11#4.1 C14#3.2 C15#2.2 C16#3.2 C17.2 C19#4.1 C20#2.1 C21#4.2 C22.1 C29.2 C31#2.2 C33#3.2 C34.2 C36#3.2 C37#3.2 C39#3.1 D2#3.2 D3#4.2 D4#4.2 D14#2.2 J4#3.1 Q8#2.2 R2#2.1 R9.2 R14#3.1 R17#3.1 R21#3.1 R23.1 R24.1 R26.1 R32.1 R33.1 R38#2.1 R39#4.1 R46#3.1 R56.2 U1.6 U2.6 U3#4.1 U3#4.2 U4#2.6 U5#2.14 U6#2.6 U6#2.7 U7#2.2
Board_0-+5V: D1#3.2 J1#4.8
Board_0-/D+: D10#2.2 J3#4.3 U6#2.4
Board_0-/D-: D11.2 J3#4.2 U6#2.5
Board_0-ADC0: C12#4.2 R6#2.2 R30#2.1 U7#2.9
Board_0-ADC1: C13.2 R7#4.2 U7#2.6
Board_0-ADC2: C23#3.2 R16#3.2 U7#2.4
Board_0-DTR: Q5#4.2 R45#3.1 U6#2.28
Board_0-EN_: C26.2 C35.2 Q6#3.3 R26.2 R48#3.2 U7#2.3
Board_0-Enc1A: U5#2.1 U7#2.16
Board_0-Enc1A_: C24#3.1 D5.1 R20.1 U5#2.2
Board_0-Enc1B: U5#2.3 U7#2.26
Board_0-Enc1B_: C25#2.1 D6.1 R22#3.1 U5#2.4
Board_0-Enc2A: U5#2.9 U7#2.12
Board_0-Enc2A_: C28#4.1 D8#3.1 R28.1 U5#2.8
Board_0-Enc2B: U5#2.5 U7#2.13
Board_0-Enc2B_: C30#2.1 D12#2.1 R34#3.1 U5#2.6
Board_0-ESP32_RXD0: U6#2.26 U7#2.35
Board_0-ESP32_TXD0: U6#2.25 U7#2.34
Board_0-GND: C1.2 C2#3.1 C3.1 C4#2.1 C5.1 C6#2.1 C7#4.1 C8#3.2 C9.2 C10#3.2 C11#4.2 C12#4.1 C13.1 C15#2.1 C16#3.1 C17.1 C18#3.1 C19#4.2 C20#2.2 C21#4.1 C22.2 C23#3.1 C24#3.2 C25#2.2 C26.1 C27#3.2 C28#4.2 C29.1 C30#2.2 C31#2.1 C32#3.2 C33#3.1 C34.1 C35.1 C36#3.1 C37#3.1 C38.2 C39#3.2 D9.1 D10#2.1 D11.1 H1.1 H2#3.1 H3#4.1 J1#4.2 J1#4.5 J1#4.7 J1#4.P$1 J1#4.P$2 J1#4.S1 J1#4.S2 J2.2 J3#4.5 J4#3.2 Q1#2.2 Q2#3.2 Q3#3.2 Q4.2 Q7#4.2 R3#4.2 R5.2 R10#4.1 R12#3.2 R13#4.2 R15.2 R19.2 R27#4.1 R29#2.2 R37.2 R41#3.2 R42#3.2 R47#4.2 R48#3.1 R49.2 S1#4.5 SW1#3.2 SW1#3.B SW1#3.S1 SW1#3.S2 SW2#3.2 SW2#3.B SW2#3.S1 SW2#3.S2 U1.2 U2.2 U3#4.4 U3#4.5 U3#4.11 U3#4.12 U3#4.13 U3#4.14 U3#4.15 U4#2.2 U5#2.7 U6#2.3 U6#2.29 U7#2.1 U7#2.15 U7#2.38 U7#2.39_1 U7#2.39_2 U7#2.39_3 U7#2.39_4 U7#2.39_5 U7#2.39_6 U7#2.39_7 U7#2.39_8 U7#2.39_9 U7#2.39_10 U7#2.39_11 U7#2.39_12 U7#2.39_13 U7#2.39_14 U7#2.39_15 U7#2.39_16 U7#2.39_17 U7#2.39_18 U7#2.39_19 U7#2.39_20 U7#2.39_21
Board_0-IO0: C38.1 Q5#4.3 R47#4.1 U7#2.25
Board_0-LB: R29#2.1 R31#4.1 U7#2.11
Board_0-MCU_HB: R11#2.1 R12#3.1 U7#2.24
Board_0-Net-(C1-Pad1): C1.1 J1#4.4 R1#4.1
Board_0-Net-(C3-Pad2): C3.2 RV1.2 U1.3
Board_0-Net-(C6-Pad2): C6#2.2 R4#2.2 R5.1 U2.3
Board_0-Net-(C7-Pad2): C7#4.2 U3#4.8
Board_0-Net-(C14-Pad1): C14#3.1 R9.1 R10#4.2 U3#4.3
Board_0-Net-(C18-Pad2): C18#3.2 RV2#3.2 U4#2.3
Board_0-Net-(D3-Pad1): D3#4.1 R8.1
Board_0-Net-(D4-Pad1): D4#4.1 R58#4.1
Board_0-Net-(D5-Pad2): D5.2 R20.2 R21#3.2 SW2#3.A
Board_0-Net-(D6-Pad2): D6.2 R22#3.2 R23.2 SW2#3.C
Board_0-Net-(D8-Pad2): D8#3.2 R28.2 R32.2 SW1#3.A
Board_0-Net-(D12-Pad2): D12#2.2 R34#3.2 R38#2.2 SW1#3.C
Board_0-Net-(D14-Pad1): D14#2.1 R40#4.1
Board_0-Net-(J3-Pad6): J3#4.6 R27#4.2
Board_0-Net-(J4-Pad3): J4#3.3 R51.2
Board_0-Net-(J4-Pad4): J4#3.4 Q4.3 R46#3.2
Board_0-Net-(J4-Pad5): J4#3.5 R52#4.2
Board_0-Net-(J4-Pad6): J4#3.6 R53#2.2
Board_0-Net-(J4-Pad7): J4#3.7 R54.2
Board_0-Net-(J4-Pad9): J4#3.9 R55.2
Board_0-Net-(Q1-Pad1): Q1#2.1 R11#2.2
Board_0-Net-(Q1-Pad3): Q1#2.3 R57.2
Board_0-Net-(Q2-Pad1): Q2#3.1 R18.2
Board_0-Net-(Q3-Pad1): Q3#3.1 R31#4.2
Board_0-Net-(Q3-Pad3): Q3#3.3 R59.2
Board_0-Net-(Q4-Pad1): Q4.1 R43#2.2
Board_0-Net-(Q5-Pad1): Q5#4.1 R44#4.2
Board_0-Net-(Q6-Pad1): Q6#3.1 R45#3.2
Board_0-Net-(Q7-Pad1): Q7#4.1 R50#2.2
Board_0-Net-(Q7-Pad3): Q7#4.3 Q8#2.1 R56.1
Board_0-Net-(R1-Pad2): R1#4.2 S1#4.6
Board_0-Net-(R2-Pad2): R2#2.2 RV1.1
Board_0-Net-(R3-Pad1): R3#4.1 RV1.3
Board_0-Net-(R4-Pad1): R4#2.1 S1#4.1
Board_0-Net-(R6-Pad1): R6#2.1 U1.1 U1.4
Board_0-Net-(R7-Pad1): R7#4.1 U2.1 U2.4
Board_0-Net-(R13-Pad1): R13#4.1 R58#4.2
Board_0-Net-(R14-Pad2): R14#3.2 RV2#3.1
Board_0-Net-(R15-Pad1): R15.1 RV2#3.3
Board_0-Net-(R16-Pad1): R16#3.1 U4#2.1 U4#2.4
Board_0-Net-(R30-Pad2): R30#2.2 U7#2.7
Board_0-Net-(R35-Pad1): R35#3.1 R37.1 U6#2.8
Board_0-Net-(R39-Pad2): R39#4.2 U6#2.9
Board_0-Net-(R40-Pad2): R40#4.2 R59.1
Board_0-Net-(R41-Pad1): R41#3.1 U6#2.11
Board_0-Net-(R57-Pad1): R8.2 R57.1
Board_0-OA_LP: R18.1 R19.1 U7#2.14
Board_0-PD#: Q2#3.3 R17#3.2 U1.5 U2.5 U4#2.5
Board_0-RTS: Q6#3.2 R44#4.1 U6#2.24
Board_0-RX2: J2.1 U7#2.28
Board_0-Sel1: U5#2.13 U7#2.8
Board_0-Sel1_: D7#2.2 R24.2 R25#2.1 SW2#3.1
Board_0-Sel1_Filt: C27#3.1 D7#2.1 R25#2.2 U5#2.12
Board_0-Sel2: U5#2.11 U7#2.10
Board_0-Sel2_: D13#4.2 R33.2 R36#3.1 SW1#3.1
Board_0-Sel2_Filt: C32#3.1 D13#4.1 R36#3.2 U5#2.10
Board_0-TFT_CS~: R51.1 U7#2.29
Board_0-TFT_DC: R52#4.1 U7#2.23
Board_0-TFT_LED: J4#3.8 Q8#2.3
Board_0-TFT_MISO: R55.1 U7#2.31
Board_0-TFT_MOSI: R53#2.1 U7#2.37
Board_0-TFT_ON/PWM_BL_CTRL: R49.1 R50#2.1 U7#2.33
Board_0-TFT_RST: R42#3.1 R43#2.1 U7#2.36
Board_0-TFT_SCK: R54.1 U7#2.30
Board_0-TX2: J2.3 U7#2.27
Board_0-unconnected-(J1-Pad1): J1#4.1
Board_0-unconnected-(J1-Pad6): J1#4.6
Board_0-unconnected-(J3-Pad4): J3#4.4
Board_0-unconnected-(J4-Pad10): J4#3.10
Board_0-unconnected-(J4-Pad11): J4#3.11
Board_0-unconnected-(J4-Pad12): J4#3.12
Board_0-unconnected-(J4-Pad13): J4#3.13
Board_0-unconnected-(J4-Pad14): J4#3.14
Board_0-unconnected-(S1-Pad3): S1#4.3
Board_0-unconnected-(S1-Pad4): S1#4.4
Board_0-unconnected-(U6-Pad1): U6#2.1
Board_0-unconnected-(U6-Pad2): U6#2.2
Board_0-unconnected-(U6-Pad10): U6#2.10
Board_0-unconnected-(U6-Pad12): U6#2.12
Board_0-unconnected-(U6-Pad13): U6#2.13
Board_0-unconnected-(U6-Pad14): U6#2.14
Board_0-unconnected-(U6-Pad15): U6#2.15
